# KiCad board _SHEGO75-V2.1.kicad_pcb (continued)
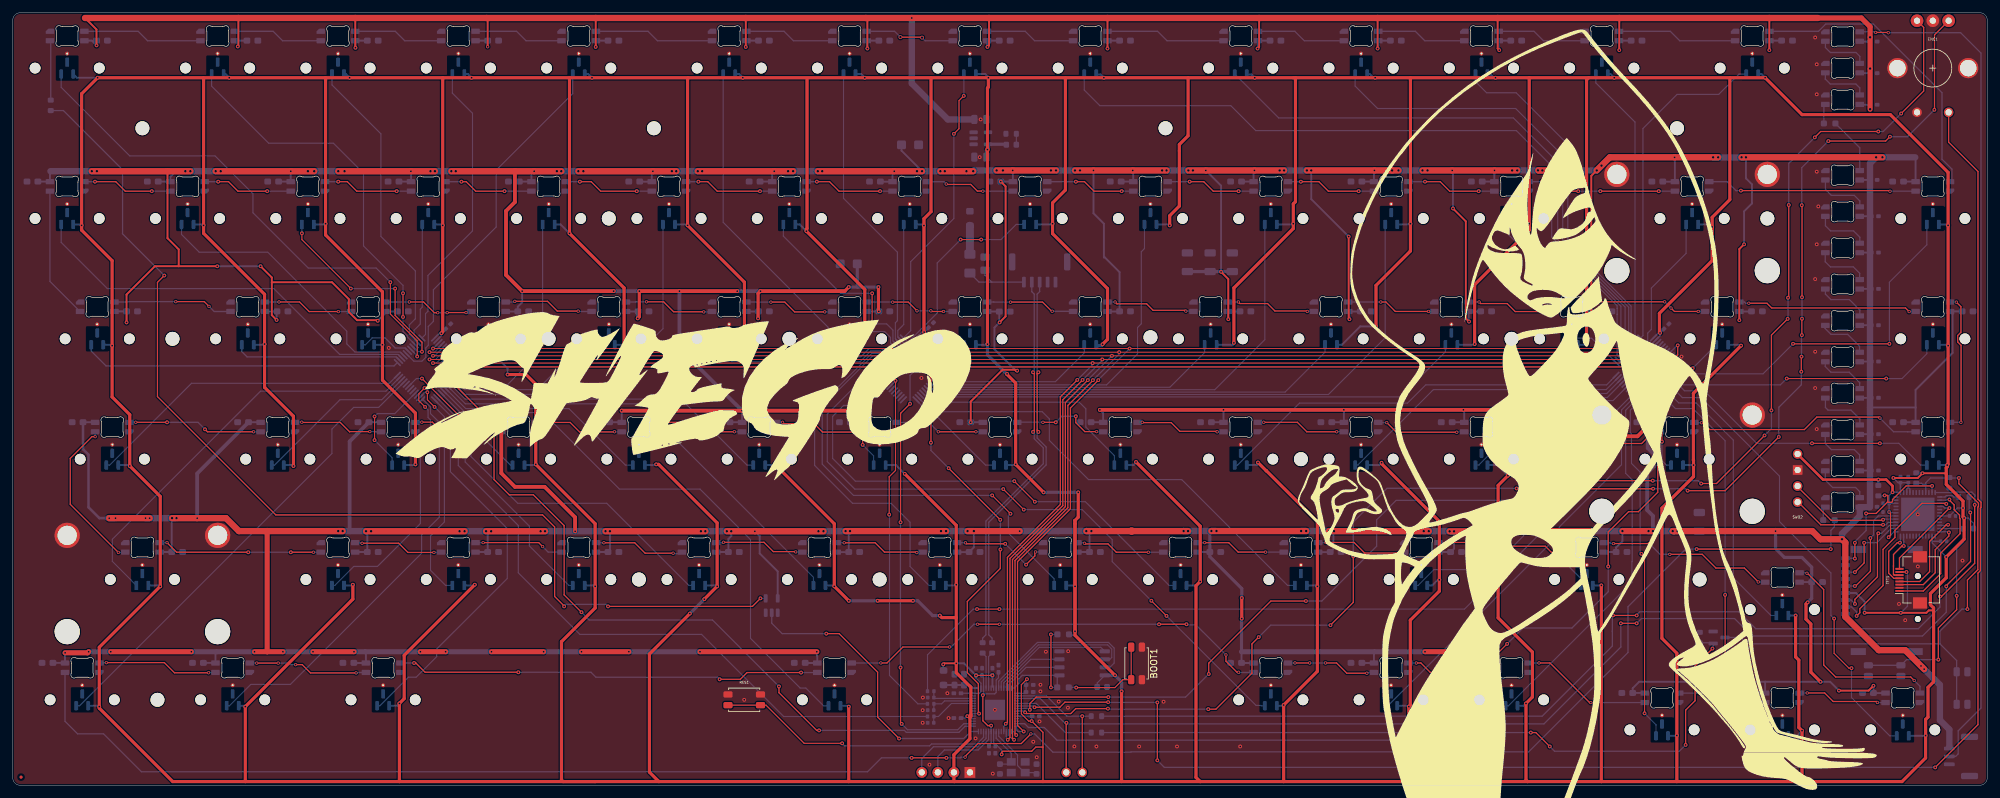
[diagram p0: board, top side]
## Routing (per net, layer and track width the routed paths; a pad name or vN(x,y) marks a point on that pad's centre or on a via; arc(x,y) is an arc through that point) (continued)
+1V1: length 17.7
  Top w0.2: v1(154.86,9.46) 154.33,9.46 153.56,10.23 v1(153.56,14.29)
  Bottom w0.18: U3.45 153.66,17.19 C14.1 ; 154.86,9.45 v1(154.86,9.46) ; 155.67,15.41 155.67,16.67 156.03,17.04 C15.1
  Bottom w0.2: 154.86,9.45 U3.23 154.86,6.76 154.53,6.43 ; U3.45 153.66,14.5 153.56,14.39 v1(153.56,14.29) 153.77,14.5 155.44,14.5 155.66,14.72 U3.50
+3.3V: length 2585.7
  Top w0.18: v1(155.07,17.42) v1(152.48,17.42) ; v1(161.29,10.18) 160.79,10.18 159.65,11.32 159.65,15.93 v1(160.53,16.82)
  Top w0.2: v1(161.29,10.18) 163.06,8.4 163.06,6.06 ; v3(296.99,43.28) 297.21,43.05 297.21,39.59 v1(296.91,39.29) ; 163.06,6.06 161.93,6.06 161.28,5.41 156.7,5.41 156.53,5.23 v1(156.53,4.91) ; 163.06,6.06 163.06,0.6 ; v1(299.74,33.78) TFT1.VDD
  Top w0.3: v1(147.28,19.16) 147.45,19.32 v1(149.35,19.32) ; 304.03,27.7 303.27,27.7 302.89,27.32 v1(298.85,27.32) v1(293.11,27.32) ; v1(151.09,10.96) 151.48,10.96 151.66,11.14 ; 306.03,49.26 305.88,49.41 v1(302.27,49.41) 301.53,48.67 v1(297.66,48.67)
  Top w0.4: v1(297.53,46.41) 297.53,47.41 296.53,48.41 v1(295.28,48.41) 286.53,48.41 282.5,52.43
  Top w0.5: v1(136.9,29.23) v1(142.49,29.23) ; 102.28,0.6 100.78,2.1 100.78,20.79 v1(107.18,27.2) ; 102.28,0.6 132.33,0.6 ; 102.28,0.6 92.2,0.6 ; v1(96.77,69.86) 96.77,78.76 v1(88.13,87.39) 88.13,112.03 ; 68.07,112.03 v1(53.34,112.03) 49.53,112.03 ; 68.07,112.03 v1(72.64,112.03) v1(91.69,112.03) v1(115.57,112.03) v1(134.87,112.03) v1(154.43,112.03) ; 68.07,112.03 v1(68.07,88.66) 68.07,71.79 v1(67.86,71.58) ; 187.96,0.6 187.28,1.27 187.28,31.6 v1(187.96,32.28) 187.96,41.03 v1(177.8,51.19) ; 187.96,0.6 201.16,0.6 ; 187.96,0.6 149.03,0.6 ; v1(115.82,70.12) 115.82,79.66 v1(106.82,88.66) 106.82,111.92 106.93,112.03 ; v1(231.39,69.87) 231.39,79.27 240.03,87.9 v1(240.03,88.92) 240.03,112.03 ; 271.78,112.03 271.78,92.73 268.98,89.93 v1(268.98,88.41) 268.98,83.08 260.63,74.73 260.63,71.73 v1(260.73,71.63) ; v1(216.66,51.07) 216.66,50.93 225.8,41.79 v1(225.8,32.53) 225.8,30.75 221.21,26.16 221.21,12.69 v1(220.98,12.46) 220.98,0.6 ; 263.39,0.6 251.46,0.6 ; 263.39,0.6 v1(263.39,7.89) 263.39,20.92 261.03,23.28 261.03,43.88 266.03,48.88 v1(266.03,50.71) 266.03,51.48 266.01,51.51 266.01,62.07 v1(273.55,69.61) ; 263.39,0.6 283.21,0.6 ; 251.46,0.6 239.77,0.6 ; 251.46,0.6 251.44,0.61 v1(251.44,31.66) ; v1(168.14,24.4) 168.14,23.75 v1(174.47,17.43) ; v1(168.14,24.4) 168.14,41.92 168.13,41.94 ; v1(168.14,24.4) v1(168.14,31.51) 168.14,41.4 168.13,41.41 168.13,41.94 ; v1(144.26,71.76) 144.23,71.78 v1(144.23,88.63) 144.23,89.71 145.36,90.83 145.36,112.03 ; 239.77,0.6 239.52,0.85 v1(239.52,12.97) 240.53,13.99 240.53,21.1 235.11,26.53 235.11,47.48 v1(236.66,49.03) ; 239.77,0.6 220.98,0.6 ; v1(63.75,50.82) 63.75,58.94 58.53,64.16 58.53,68.97 58.53,68.97 v1(58.53,69.76) 58.53,69.76 58.53,78.13 49.53,87.14 v1(49.53,88.92) 49.53,112.03 ; v1(193.29,70.06) 193.29,78.76 202.69,88.16 v1(202.69,88.92) 202.69,92.06 203.03,92.41 203.03,112.03 202.69,112.03 ; v1(134.87,70.63) 134.87,78.5 v1(125.63,87.75) 125.63,88.05 125.73,88.16 125.73,111.77 ; 168.13,41.94 168.65,42.46 v1(168.65,46.39) ; 92.2,0.6 61.21,0.6 ; 92.2,0.6 87.12,0.6 86.86,0.85 86.86,22.75 92.2,28.08 v1(92.2,31.51) 92.2,41.42 v1(82.8,50.82) 82.8,63.5 81.26,65.04 v1(78.33,65.04) ; 61.21,0.6 v1(61.21,12.97) 61.97,13.73 61.97,20.59 v1(73.15,31.77) ; 61.21,0.6 36.83,0.6 ; v1(197.1,51.11) 198.41,49.8 198.44,49.8 206.5,41.74 v1(206.5,31.51) 206.5,18.05 v1(201.16,12.72) 201.16,0.6 ; 240.03,112.03 249.42,112.03 ; 240.03,112.03 v1(234.69,112.03) v1(215.64,112.03) v1(196.59,112.03) 186.04,112.03 ; 249.42,112.03 v1(253.49,112.03) v1(277.36,112.03) 283.21,106.19 297.18,106.19 306.32,97.05 v1(306.32,88.66) v1(306.32,69.61) 306.32,50.85 v1(306.18,50.71) 306.18,50.42 306.03,50.28 306.03,47.66 308.68,45 v1(308.68,43.9) 308.68,42.5 v1(308.86,42.33) 308.86,38.98 v1(306.03,36.16) 306.03,32.88 303.53,30.37 303.53,28.59 304.03,28.08 304.03,16.41 303.15,15.52 303.15,10.81 302.76,10.43 v1(302.76,7.89) 302.76,4.34 299.03,0.6 283.21,0.6 ; 249.42,112.03 249.11,111.71 249.11,70.6 249.11,70.59 v1(249.11,69.79) ; 36.83,0.6 25.34,0.6 13.71,12.23 v1(13.71,12.46) 13.71,21.86 v1(23.36,31.51) 23.36,45.74 v1(18.54,50.56) 18.54,58.69 15.74,61.49 v1(15.74,69.61) 15.74,83.08 10.92,87.9 v1(10.92,88.66) 10.92,109.49 v1(13.46,112.03) v1(34.29,112.03) 49.53,112.03 ; 36.83,0.6 v1(36.83,12.46) 53.84,29.48 v1(53.84,31.77) ; v1(146.74,26.88) 147.06,26.56 149.35,26.56 ; 283.21,0.6 v1(283.21,8.65) 282.7,9.16 282.7,19.83 282.19,20.34 v1(282.19,26.89) ; 30.22,112.03 v1(30.22,88.66) 30.22,87.39 39.87,77.74 v1(39.87,69.87) 39.87,63.01 44.45,58.44 v1(44.45,50.56) ; 149.03,0.6 132.33,0.6 ; 149.03,0.6 148.97,0.66 J1.2 148.97,4.85 151.51,7.38 151.51,10.74 ; 132.33,0.6 v1(132.33,12.46) ; 149.35,26.56 v1(149.35,19.32) 149.35,17.84 151.66,15.53 151.66,11.14 ; 149.35,26.56 v1(149.35,31.77) 149.35,41.17 v1(141.2,49.32) ; 151.51,10.74 151.66,10.89 151.66,11.14 ; 151.51,10.74 151.51,10.99 151.66,11.14 ; 166.62,112.03 166.62,94.25 164.59,92.22 v1(164.59,88.92) 164.59,87.35 173.28,78.65 173.28,70.61 v1(172.5,69.83) ; v1(154.43,112.03) 154.43,110.55 154.28,110.41 v1(154.28,69.86) ; v1(154.43,112.03) v1(172.72,112.03) 186.04,112.03 ; 201.16,0.6 220.98,0.6 ; 186.04,112.03 186.04,102.84 184.65,101.46 184.65,91.71 183.13,90.19 v1(183.13,88.66) ; v1(163.17,46.39) v1(158.75,50.82) 158.75,63.69 157.38,65.06 v1(157.38,65.15) ; v1(132.33,29.23) v1(130.04,31.51) 130.04,41.42 v1(120.65,50.82) ; v1(101.85,50.82) 102.25,50.82 111.5,41.56 v1(111.5,31.51) v1(109.47,29.48) ; v1(215.78,72.66) 215.78,79.15 221.23,84.6 v1(221.23,88.92) 221.23,112.03 ; v1(175.51,14.88) 175.51,0.6
  Bottom w0.18: C10.1 152.01,14.58 U3.42 ; U3.44 153.26,16.17 152.48,16.96 v1(152.48,17.42) ; v1(160.53,16.82) 160.4,16.68 C6.1 ; C17.1 171.66,16.22 U2.8 ; U3.33 v1(151.09,10.96) 150.78,10.66 150.01,10.66
  Bottom w0.2: EC6.1 303.84,38.64 303.78,38.7 ; U5.37 297.78,40.16 v1(296.91,39.29) ; MUX3.14 260.73,71.18 v1(260.73,71.63) ; 303.78,38.7 303.78,38.41 v1(306.03,36.16) ; 303.78,38.7 U5.26 ; v3(296.99,43.28) 296.99,45.86 v1(297.53,46.41) ; MUX3.13 260.47,71.63 ; U5.3 299.78,46.91 300.03,47.16 300.28,46.91 U5.4 ; R7.2 310.36,41.47 309.5,42.33 v1(308.86,42.33) ; MUX1.14 67.86,71.19 v1(67.86,71.58) 67.54,71.58 MUX1.13 ; v1(156.53,4.91) 156.53,5.58 155.68,6.43 ; MUX2.13 143.92,71.76 v1(144.26,71.76) 144.26,71.39 MUX2.14 ; 297.11,43.16 U5.43 ; 160.4,15.66 C13.1 160.18,14.56 U3.1 ; 155.53,6.43 155.26,6.69 U3.22 ; EC4.1 307.8,43.9 v1(308.68,43.9) ; R6.2 302.2,49.48 v1(302.27,49.41) ; 167.2,23.77 167.88,23.77 168.14,24.04 v1(168.14,24.4) ; U5.19 306.3,42.66 ; U3.42 152.97,14.56 153.26,14.85 U3.44 ; EC2.1 EC1.1 298.4,47.93 v1(297.66,48.67) ; U3.10 161.35,10.96 ; EC3.1 U5.46 ; v1(298.85,27.32) 299.89,28.36 299.89,33.63 v1(299.74,33.78) ; v1(161.29,10.18) 161.29,10.87
  Bottom w0.25: 300.03,47.16 300.03,47.68 ; 298.78,47.68 U5.1 298.73,46.41 v1(297.53,46.41)
  Bottom w0.3: v1(172.72,112.03) 172.21,112.54 171.59,112.54 ; v1(61.21,12.97) 60.84,12.61 HE74.1 ; HE17.1 49.41,88.81 v1(49.53,88.92) ; v1(225.8,32.53) 225.55,32.53 224.67,31.66 HE69.1 ; MC1.1 v1(67.86,71.58) ; HE81.1 302.72,7.84 v1(302.76,7.89) ; HE68.1 206.36,31.66 v1(206.5,31.51) ; v1(152.48,17.42) 150.57,19.32 v1(149.35,19.32) ; HE24.1 182.99,88.81 v1(183.13,88.66) ; HE64.1 129.9,31.66 v1(130.04,31.51) ; HE67.1 187.34,31.66 v1(187.96,32.28) ; HE45.1 18.4,50.71 v1(18.54,50.56) ; HE36.1 134.12,69.76 134.87,70.5 v1(134.87,70.63) ; HE44.1 306.18,69.76 v1(306.32,69.61) ; v1(220.98,12.46) 220.83,12.61 HE77.1 ; v1(120.65,50.82) 120.53,50.71 HE50.1 ; v1(277.36,112.03) 276.78,112.62 HE14.1 ; v1(202.69,88.92) 202.58,88.81 HE25.1 ; HE79.1 263.35,7.84 v1(263.39,7.89) ; HE39.1 193.15,69.76 193.29,69.9 v1(193.29,70.06) ; HE2.1 33.7,112.62 v1(34.29,112.03) ; v1(249.11,69.79) 249.07,69.76 HE42.1 ; HE18.1 67.93,88.81 v1(68.07,88.66) ; v1(10.92,88.66) 10.78,88.81 HE15.1 ; HE78.1 239.15,12.61 v1(239.52,12.97) ; HE65.1 149.24,31.66 v1(149.35,31.77) ; HE31.1 39.76,69.76 v1(39.87,69.87) ; HE53.1 177.4,50.71 177.8,51.1 v1(177.8,51.19) ; HE35.1 115.45,69.76 v1(115.82,70.12) ; HE41.1 231.28,69.76 v1(231.39,69.87) ; HE63.1 111.36,31.66 v1(111.5,31.51) ; v1(236.66,49.03) 235.37,50.32 235.37,50.4 235.06,50.71 HE56.1 ; v1(215.64,112.03) 215.39,112.03 214.8,112.62 HE11.1 ; HE4.1 72.05,112.62 v1(72.64,112.03) ; v1(306.32,88.66) 306.18,88.81 HE29.1 ; v1(96.77,69.86) 96.73,69.86 96.63,69.76 HE34.1 ; v1(215.78,72.66) 213.28,72.66 210.38,69.76 HE40.1 ; HE28.1 268.59,88.81 v1(268.98,88.41) ; HE16.1 30.08,88.81 v1(30.22,88.66) ; v1(13.46,112.03) 10.17,112.03 HE1.1 ; v1(36.83,12.46) 36.68,12.61 HE73.1 ; v1(154.43,112.03) 154.43,112.11 153.92,112.62 HE8.1 ; HE66.1 168,31.66 v1(168.14,31.51) ; v1(154.28,69.86) 154.13,69.86 154.03,69.76 HE37.1 ; HE23.1 164.48,88.81 v1(164.59,88.92) ; HE52.1 158.63,50.71 v1(158.75,50.82) ; HE48.1 82.69,50.71 v1(82.8,50.82) ; HE49.1 101.74,50.71 v1(101.85,50.82) ; v1(63.75,50.82) 63.64,50.71 HE47.1 ; HE20.1 106.68,88.81 v1(106.82,88.66) ; v1(201.16,12.72) 201.05,12.61 HE76.1 ; v1(240.03,88.92) 239.91,88.81 HE27.1 ; v1(197.1,51.11) 197.1,50.9 196.93,50.73 195.97,50.73 195.94,50.71 HE54.1 ; v1(88.13,87.39) 86.72,88.81 HE19.1 ; v1(216.66,51.07) 216.29,50.71 HE55.1 ; v1(196.59,112.03) 196.08,112.54 195.32,112.54 ; HE61.1 73.04,31.66 v1(73.15,31.77) ; v1(273.55,69.61) 273.41,69.76 HE43.1 ; HE26.1 221.12,88.81 v1(221.23,88.92) ; HE75.1 132.19,12.61 v1(132.33,12.46) ; HE22.1 144.05,88.81 v1(144.23,88.63) ; 261.33,72.23 v1(260.73,71.63) ; HE21.1 124.57,88.81 v1(125.63,87.75) ; v1(283.21,8.65) 282.4,7.84 HE80.1 ; v1(147.28,19.16) 147.28,18.24 ; v1(141.2,49.32) 139.81,50.71 HE51.1 ; v1(23.36,31.51) 23.22,31.66 HE59.1 ; HE3.1 52.75,112.62 v1(53.34,112.03) ; v1(234.69,112.03) 234.44,112.03 233.85,112.62 HE12.1 ; SD1.P4 291.73,30.46 293.11,29.08 v1(293.11,27.32) ; v1(282.19,26.89) HE71.1 ; HE72.1 13.57,12.61 v1(13.71,12.46) ; 144.93,72.43 v1(144.26,71.76) ; HE62.1 92.06,31.66 v1(92.2,31.51) ; HE6.1 114.98,112.62 v1(115.57,112.03) ; v1(253.49,112.03) 252.9,112.62 HE13.1 ; v1(91.69,112.03) 91.1,112.62 HE5.1 ; HE30.1 15.6,69.76 v1(15.74,69.61) ; v1(58.53,69.76) HE32.1 ; v1(78.33,65.04) 78.33,66.06 76.26,68.13 76.26,69.76 ; HE46.1 44.3,50.71 v1(44.45,50.56) ; HE7.1 134.28,112.62 v1(134.87,112.03) ; v1(266.03,50.71) HE57.1 ; v1(155.07,17.42) 155.07,15.6 ; v1(53.84,31.77) 53.73,31.66 HE60.1 ; v1(251.44,31.66) HE70.1 ; v1(306.18,50.71) HE58.1
  Bottom w0.4: v1(295.28,48.41) R11.2
  Bottom w0.5: v1(175.51,14.88) 175.51,16.38 v1(174.47,17.43) 172.86,17.43 ; v1(168.65,46.39) 168.13,46.39 168.12,46.4 167.49,46.4 167.48,46.39 v1(163.17,46.39) ; C2.1 154.11,100.54 154.23,100.66 v2(154.28,100.66) 154.43,100.8 154.43,101.44 U1.5 157.21,101.5 ; v1(146.74,26.88) 145.6,26.88 143.25,29.23 v1(142.49,29.23) ; v1(154.28,69.86) 154.28,68.16 157.28,65.15 v1(157.38,65.15) ; v1(109.47,29.48) v1(107.18,27.2) ; v1(172.5,69.83) 172.29,69.61 171.65,69.61 HE38.1 ; v1(132.33,29.23) v1(136.9,29.23)
+3.3VA: length 5.7
  Bottom w0.3: FB1.2 151.51,15.89 151.99,15.4 152.81,15.4
+5V: length 2360.2
  Top w0.3: v1(92.28,116.91) 92.28,121.49 ; v1(156.21,73.3) 157.15,74.24 157.15,94.83 v1(156.39,95.59) ; v1(197.03,116.66) 197.28,116.91 197.28,121.49 ; 154.53,121.49 154.53,117.16 v1(154.28,116.91) ; 11.46,121.49 13.27,119.67 13.27,117.17 v1(13.28,117.16) ; 41.02,79.65 50.54,79.65 53.21,76.98 53.21,74.95 54.51,73.64 57.69,73.64 v1(57.78,73.55) ; 41.02,79.65 41.02,74.44 v1(41.78,73.68) ; 41.02,79.65 41.02,80.41 v1(39.24,82.19) ; v1(211.58,73.8) 211.45,73.93 v1(211.45,86.89) ; 24.51,97.23 24.51,86.63 26.29,84.85 26.29,82.19 ; v1(294.51,15.77) 293.75,15 v1(289.05,15) ; v1(151.63,57.49) 151.63,60.76 156.68,65.8 158.63,65.8 158.78,65.65 v1(158.98,65.65) ; v1(249.86,73.16) 249.86,96.5 v4(250.71,97.36) ; v1(18.03,73.3) 18.03,77.71 22.51,82.19 26.29,82.19 ; 135.03,121.49 135.28,121.24 v1(135.28,116.66) ; v1(216.03,116.66) 216.03,121.49 ; v1(273.28,73.66) 273.28,84.91 v1(274.03,85.66) ; 26.29,82.19 v1(32.38,82.19) ; v1(54.26,116.78) 54.23,116.81 54.23,121.49 ; v1(35.63,116.98) 35.73,117.08 35.73,121.49 ; 249.55,55.26 249.3,55.52 ; v1(191.26,81.3) 192.4,80.15 v1(192.4,73.8) ; v1(278.03,116.41) 278.03,121.49 ; v1(230.5,73.42) 229.99,73.93 229.99,89.3 v1(227.96,91.33) ; v3(75.18,116.93) 75.18,121.31 75.01,121.49 ; v1(173.28,116.66) 173.28,121.49 ; v1(235.28,116.41) 235.03,116.66 235.03,121.49 ; v1(254.28,116.41) 254.28,121.49 ; v1(116.03,116.91) 116.03,121.49
  Top w0.5: v1(137.09,75.04) 137.03,75.11 v1(137.03,78.88) ; 131.7,78.25 v1(132.33,78.88) ; v1(286.13,16.4) 284.6,17.92 284.6,25.54 283.84,26.31 283.84,28.72 v1(284.1,28.97) ; v1(117.98,73.93) 117.98,77.87 v1(118.36,78.25) ; v1(99.18,78.25) 99.18,74.19 v1(98.93,73.93) ; v1(194.53,26.41) v1(194.53,29.66)
  Top w0.6: v1(77.32,57.49) 77.34,57.48 77.34,49.42 79.5,47.26 84.2,47.26 89.02,42.44 v1(89.02,40.23) ; v1(114.68,78.25) v1(105.53,78.25) v1(99.18,78.25) ; v1(95.12,78.25) v1(80.64,78.25) 78.09,80.8 78.09,90.94 79.5,92.35 79.5,97.23 ; 249.3,55.52 245.36,59.45 v1(229.61,59.45) v1(210.69,59.45) v1(191.64,59.45) v1(172.08,59.45) ; v1(132.58,59.33) v1(115.44,59.33) v1(96.39,59.33) ; v1(118.36,78.25) 131.7,78.25 ; 249.55,55.26 257.17,55.26 v1(258.06,56.15)
  Top w0.8: v1(90.03,21.16) v1(97.53,21.16) ; v1(64.53,21.16) v1(68.53,21.16) ; v1(38.28,21.16) 40.28,21.16 ; 40.28,21.16 v1(42.78,21.16) ; 40.28,21.16 40.28,40.26 ; v1(8.3,20.99) 11.86,20.99 v1(12.03,21.16) ; v1(223.53,21.16) v1(228.53,21.16) ; v1(75.78,21.16) v1(84.03,21.16) ; 285.71,121.49 292.6,121.49 293.98,120.11 v4(293.98,118.43) v4(293.98,113.48) v4(293.98,107.04) ; v1(127.28,21.16) v1(108.78,21.16) ; v1(47.53,21.16) v1(54.03,21.16) ; v1(15.53,21.16) v1(28.28,21.16)
  Top w1: 241.49,97.37 241.5,97.36 v4(247.63,97.36) ; v4(227.43,40.22) v4(232.03,40.22) ; v4(146.83,97.23) v4(150.96,97.23) v4(152.03,97.23) ; v4(249.78,40.26) 236.54,40.26 v4(236.51,40.22) ; v4(25.23,42.31) v1(29.21,42.31) 33.76,42.31 35.81,40.26 v4(52.23,40.26) ; v4(32.13,97.23) v1(44.03,97.23) v4(47.73,97.23) ; v4(165.13,97.36) v1(158.28,97.36) v4(155.73,97.36) ; v4(51.53,97.23) v1(63.03,97.23) v4(66.83,97.23) ; 285.71,121.49 v1(142.31,121.49) 11.46,121.49 ; v1(21.68,42.31) v1(15.28,42.31) ; v4(219.33,97.36) v4(218.33,97.36) v1(215.53,97.36) v4(204.83,97.36) ; v4(69.43,97.23) v1(82.53,97.23) v4(86.83,97.23) ; v4(269.93,99.43) v1(263.03,99.43) 252.78,99.43 v4(250.71,97.36) ; v4(131.83,40.26) v4(147.73,40.26) ; v4(143.93,97.23) v1(139.53,97.23) v4(127.43,97.23) ; v4(109.63,40.23) v4(93.83,40.23) ; v4(238.13,97.36) v1(234.53,97.36) v1(227.83,97.36) v4(223.13,97.36) ; v4(128.33,40.23) v1(117.47,40.23) v4(113.03,40.23) ; v4(259.61,40.26) v4(254.78,40.26) ; v4(108.43,97.23) v1(120.53,97.23) v4(123.53,97.23) ; v4(201.23,97.36) v1(196.53,97.36) v1(188.85,97.36) v4(186.08,97.36) ; v4(151.13,40.26) v1(159.38,40.26) ; v4(189.73,40.27) v4(204.73,40.27) ; v4(182.63,97.36) v1(177.28,97.36) v1(171.07,97.36) v4(168.13,97.36) ; v4(295.93,99.43) v4(294.93,99.43) v4(273.63,99.43) ; v4(28.13,97.23) v4(12.53,97.23) ; v1(302.53,18.41) 299.53,21.41 295.35,21.41 290.06,26.69 290.06,38.43 v4(289.53,38.97) 286.12,38.97 284.83,40.26 v1(279.02,40.26) v4(262.74,40.26) v4(263.51,40.26) ; v4(84.26,40.23) v4(74.93,40.23) ; v4(105.03,97.23) v1(101.33,97.23) v4(89.53,97.23) ; v4(186.03,40.26) v4(169.93,40.26) ; v4(71.53,40.23) v4(55.93,40.23) ; v4(208.33,40.24) v4(224.13,40.24)
  Bottom w0.3: LED53.1 172.59,58.94 v1(172.08,59.45) ; CL57.1 260.68,57.49 ; LED73.1 32.1,20.97 32.28,21.16 ; LED25.1 196.41,97.23 v1(196.53,97.36) ; CL16.1 24.94,95.59 ; CL10.1 197.11,117.91 ; v1(197.03,116.66) 197.09,116.72 LED10.1 ; CA6.1 292.38,72.85 ; 23.28,36.94 CL59.1 25.18,41.99 25.43,42.24 25.87,42.24 v4(25.93,42.31) ; LED6.1 116.13,117.01 v1(116.03,116.91) ; CL5.1 92.34,117.91 ; 120.43,97.23 120.21,97.01 LED21.1 ; v4(293.98,118.43) 293.96,118.41 CG3.1 292.39,117.76 ; 251.88,36.94 CL70.1 253.78,37.64 254.78,38.65 v4(254.78,40.26) ; 55.78,21.16 55.91,21.02 LED74.1 54.02,19.37 ; LED7.1 135.18,116.76 v1(135.28,116.66) ; v1(215.53,97.36) 215.46,97.28 LED26.1 ; CL27.1 234.49,95.59 ; CL62.1 92.34,36.94 ; 234.53,21.16 234.53,19.4 ; CL56.1 229.72,57.49 ; LED29.1 301.18,99.38 301.13,99.43 ; LED50.1 115.44,59.32 v1(115.44,59.33) ; 278.06,117.89 278.06,116.43 v1(278.03,116.41) ; v1(263.03,99.43) 263.08,99.38 LED28.1 261.19,95.57 ; 99.26,95.57 LED20.1 101.16,97.06 v1(101.33,97.23) ; v1(80.64,78.25) 80.64,76.47 79.94,75.78 CL33.1 ; 251.37,75.02 LED42.1 249.48,73.53 v1(249.86,73.16) ; v1(227.83,97.36) 227.96,97.23 v1(227.96,91.33) ; CL9.1 173.3,117.91 ; CL15.1 5.89,95.59 ; 277.36,16.4 257.43,16.4 256.41,15.38 CL79.1 258.3,14.63 ; 277.36,16.4 277.37,16.4 LED80.1 ; 277.36,16.4 v1(286.13,16.4) 287.65,16.4 v1(289.05,15) ; CL68.1 209.04,37.45 209.04,40.15 v4(209.13,40.24) ; v1(156.39,95.59) 158.29,95.59 ; CL80.1 277.35,14.63 ; CL12.1 235.21,117.91 ; CA2.1 292.39,49.85 ; LED35.1 118.02,75.02 ; 11.38,117.91 12.53,117.91 v1(13.28,117.16) ; LED2.1 35.63,117.42 v1(35.63,116.98) ; 192.99,81.3 v1(191.26,81.3) 191.26,94.94 v1(188.85,97.36) ; 215.53,21.16 215.46,21.08 LED77.1 213.56,19.37 ; 293.96,59.83 301.18,59.83 ; 301.18,59.83 LED58.1 ; 301.18,59.83 301.18,62.61 307.04,68.47 307.04,74.61 LED44.1 ; v4(27.33,97.23) 25.86,97.23 24.96,96.33 LED16.1 ; CL71.1 282.84,32.18 ; CL8.1 154.25,117.91 ; v1(294.51,15.77) CL81.1 ; CL65.1 152.13,37.69 v4(152.13,40.26) ; 232.32,75.02 LED41.1 230.43,73.49 v1(230.5,73.42) ; CA8.1 292.37,84.35 ; v1(127.28,21.16) 127.28,20.54 127.35,20.47 LED75.1 125.46,19.37 ; 177.36,95.57 177.36,97.28 v1(177.28,97.36) ; LED31.1 41.82,75.02 ; CL26.1 215.44,95.59 ; v4(113.73,40.23) 113.73,39.46 113.28,39.01 CL63.1 111.39,36.94 ; LED38.1 175.17,75.02 ; v1(158.98,65.65) 158.78,65.65 155.39,69.05 155.39,72.48 v1(156.21,73.3) 156.15,73.35 CL37.1 ; v1(254.28,116.41) 254.24,116.44 LED13.1 ; CL44.1 306.65,75.04 ; CL64.1 132.33,40.06 v4(132.53,40.26) ; v1(92.28,116.91) 92.32,116.94 LED5.1 ; CA9.1 292.36,90.1 ; LED36.1 137.07,75.02 ; 82.43,97.23 82.11,96.91 LED19.1 ; CL45.1 13.03,57.49 ; CL17.1 43.99,95.59 ; CL38.1 175.19,81.25 172.86,83.58 172.72,83.58 172.72,88.92 171.07,90.57 v1(171.07,97.36) ; LED72.1 8.29,20.97 ; CL46.1 39.22,57.49 ; CL76.1 194.49,21.16 ; v4(170.73,40.26) 170.43,39.96 CL66.1 168.54,36.94 ; CL3.1 54.24,117.91 ; CA4.1 292.38,61.35 ; 44.16,97.23 44.01,97.08 LED17.1 ; v1(211.45,86.89) 205.53,92.8 v4(205.53,97.36) ; LED54.1 191.64,59.45 v1(191.64,59.45) ; CL14.1 278.08,117.91 ; v1(41.78,73.68) 41.78,74.98 ; v1(132.58,59.33) 132.58,59.32 CL51.1 134.47,57.49 ; v1(18.03,73.3) 18.03,73.3 CL30.1 16.14,75.04 ; v1(216.03,116.66) 216.14,116.77 LED11.1 ; CL67.1 187.59,36.94 ; v1(158.28,97.36) 158.31,97.33 LED23.1 ; v4(55.93,40.23) 56.13,40.03 CL60.1 54.24,36.94 ; 234.51,19.37 232.61,19.37 ; CL7.1 135.2,117.91 ; LED64.1 132.31,36.92 ; CL29.1 301.16,95.59 ; LED12.1 235.19,116.49 v1(235.28,116.41) ; CL18.1 63.04,95.59 ; LED55.1 210.69,59.45 v1(210.69,59.45) ; 225.69,36.94 CL69.1 228.13,37.49 v4(228.13,40.22) ; LED9.1 v1(173.28,116.66) ; CL58.1 301.16,57.49 ; CL72.1 8.27,19.39 ; v4(293.98,113.48) 293.96,113.46 CG2.1 292.39,112.76 ; v1(273.28,73.66) 273.29,73.67 LED43.1 275.19,75.02 ; v1(192.4,73.8) 192.33,73.87 LED39.1 194.22,75.02 ; CL48.1 v1(77.32,57.49) ; v1(32.38,82.19) v1(39.24,82.19) ; LED76.1 194.51,19.37 ; LED81.1 294.53,14.61 ; U4.5 121.09,33.87 118.23,36.72 118.23,39.47 v1(117.47,40.23) ; 60.87,75.02 LED32.1 58.98,74.75 v1(57.78,73.55) ; CL11.1 216.16,117.91 ; v1(54.26,116.78) 54.26,117.85 ; 137.36,95.57 LED22.1 139.26,96.96 v1(139.53,97.23) ; LED37.1 156.14,75.02 ; 73.29,117.91 CL4.1 v3(75.18,116.93) ; v1(234.53,97.36) 234.51,97.33 234.51,95.57 ; LED15.1 5.91,97.16 5.98,97.23 ; CL55.1 210.67,57.49 ; LED49.1 96.39,59.32 v1(96.39,59.33) ; CL53.1 172.57,57.49 ; CL50.1 115.42,57.49 ; CL13.1 254.26,117.91 ; v4(293.98,107.04) 293.98,107.74 ; v1(274.03,85.66) 274.03,90.87 275.28,92.12 275.28,95.16 274.33,96.11 v4(274.33,99.43) ; C23.1 140.68,100.48 v4(143.93,97.23) ; LED18.1 63.06,97.18 ; v1(229.61,59.45) 229.74,59.32 LED56.1 ; CL19.1 82.09,95.59 ; LED33.1 79.92,75.02 ; CL25.1 196.39,95.59 ; LED40.1 213.27,75.02 ; 194.49,26.37 v1(194.53,26.41) ; LED34.1 98.97,75.02 ; CL21.1 120.19,95.59 ; CL73.1 32.08,19.39 ; v1(154.28,116.91) 154.23,116.96 LED8.1 ; CL47.1 58.27,57.49 ; CA5.1 292.38,67.1 ; CA7.1 292.37,78.6 ; CG1.1 292.39,107.76 ; 73.29,36.94 CL61.1 75.18,39.98 v4(74.93,40.23) ; CL54.1 191.62,57.49 ; CL49.1 96.37,57.49 ; CA10.1 292.36,95.86 ; v4(94.53,40.23) 94.53,37.24 ; LED68.1 208.51,36.92 ; CA3.1 292.39,55.6 ; v1(151.63,57.49) 153.52,57.49 ; CL24.1 177.34,95.59 ; v1(211.58,73.8) 211.58,74.83 ; LED65.1 151.36,36.92 ; CL6.1 116.15,117.91 ; CL2.1 35.19,117.91
  Bottom w0.4: 15.11,42.31 13.73,42.31 12.01,44.03 12.01,52.36 11.14,53.22 CL45.1
  Bottom w0.5: v1(279.02,40.26) 279.02,37.48 280.41,36.09 283.19,36.09 284.73,34.54 CL71.1 284.73,29.61 v1(284.1,28.97) ; 133.73,78.88 v1(137.03,78.88) ; 133.73,78.88 v1(132.33,78.88) ; 133.73,78.88 133.68,78.93 C22.1 ; v1(117.98,73.93) 118.04,74 CL35.1 ; v1(194.53,29.66) 194.53,31.16 189.48,36.21 CL67.1 189.48,40.02 v4(189.73,40.27) ; 194.49,21.16 194.49,26.37 ; C20.1 C18.1 ; v4(263.51,40.26) 266.94,40.26 ; v1(98.93,73.93) 98.93,74.98
  Bottom w0.6: CL46.1 29.21,49.37 v1(29.21,42.31) ; 53.34,40.26 53.34,54.45 CL47.1 ; v1(114.68,78.25) v1(118.36,78.25) ; v1(115.44,59.33) 105.53,69.23 v1(105.53,78.25) ; 258.79,56.15 CL57.1 ; 258.79,56.15 v1(258.06,56.15) ; 258.79,56.15 258.79,53.4 259.84,52.35 259.84,50.56 258.7,49.42 258.7,43.58 259.61,42.66 v4(259.61,40.26) ; v1(95.12,78.25) v1(99.18,78.25)
  Bottom w0.8: v1(42.78,21.16) v1(47.53,21.16) ; v1(38.28,21.16) v1(28.28,21.16) ; v1(54.03,21.16) v1(64.53,21.16) ; v1(228.53,21.16) 234.53,21.16 ; v1(97.53,21.16) v1(108.78,21.16) ; 194.49,21.16 v1(223.53,21.16) ; v1(68.53,21.16) v1(75.78,21.16) ; v1(12.03,21.16) v1(15.53,21.16) ; 8.29,20.97 v1(8.3,20.99) ; v1(84.03,21.16) v1(90.03,21.16)
  Bottom w1: v4(209.13,40.24) 208.4,40.24 208.37,40.27 v4(203.93,40.27) ; C1.1 148.01,105.43 142.31,111.13 v1(142.31,121.49) ; v4(185.33,40.26) 185.34,40.27 v4(190.53,40.27) ; v4(181.93,97.36) v4(182.63,97.36) v4(186.08,97.36) v4(186.81,97.36) ; v4(127.53,40.23) 132.51,40.23 v4(132.53,40.26) ; v4(205.53,97.36) v4(204.83,97.36) v4(201.23,97.36) v4(200.53,97.36) ; v4(170.73,40.26) 170.04,40.26 170.02,40.27 165.54,40.27 165.53,40.26 v1(159.38,40.26) ; v4(251.47,98.12) v4(250.71,97.36) v4(246.93,97.36) ; v4(83.56,40.23) v1(89.02,40.23) v4(94.53,40.23) ; v4(70.13,97.23) v4(69.43,97.23) v4(66.83,97.23) v4(66.13,97.23) ; v4(52.53,97.23) v4(51.53,97.23) v4(47.73,97.23) v4(46.73,97.23) ; v4(109.13,97.23) v4(108.43,97.23) v4(105.03,97.23) v4(104.33,97.23) ; v4(86.13,97.23) v4(86.83,97.23) v4(89.53,97.23) v4(90.33,97.23) ; 5.98,97.23 v4(12.53,97.23) v4(13.33,97.23) ; v4(147.53,97.23) v4(146.83,97.23) v4(143.93,97.23) v4(143.13,97.23) ; v4(230.78,40.22) 237.29,40.22 v4(237.33,40.26) ; v4(152.13,40.26) v4(146.93,40.26) ; v4(237.33,97.36) 237.34,97.36 241.97,97.36 241.98,97.36 242.19,97.36 ; v4(25.93,42.31) v4(25.23,42.31) v1(21.68,42.31) v1(21.03,42.31) ; v4(294.93,99.43) 293.96,98.46 293.96,44.1 ; v4(228.13,40.22) 227.72,40.22 227.7,40.24 v4(223.33,40.24) ; v4(269.13,99.43) 269.16,99.41 273.77,99.41 273.79,99.43 v4(274.33,99.43) ; v4(295.93,99.43) 301.13,99.43 ; v1(302.03,18.91) 305.03,15.91 305.03,10.33 306.52,8.84 306.52,6.1 306.53,6.09 ; v4(152.03,97.23) 152.16,97.36 v4(155.73,97.36) v4(156.73,97.36) ; v4(108.93,40.23) v4(113.73,40.23) ; v4(128.13,97.23) v4(127.43,97.23) v4(123.53,97.23) v4(122.73,97.23) ; v4(56.73,40.23) v4(55.93,40.23) 55.91,40.26 v4(51.53,40.26) ; CA1.1 293.89,44.05 AMB1.1 292.34,42.65 289.53,39.84 v4(289.53,38.97) ; v4(263.51,40.26) 262.91,40.26 262.91,40.25 258.91,40.25 v4(258.91,40.26) ; v4(164.33,97.36) v4(165.13,97.36) v4(168.13,97.36) v4(168.93,97.36) ; v4(254.78,40.26) v4(249.78,40.26) ; v4(218.33,97.36) v4(223.93,97.36) ; v4(27.33,97.23) v4(28.13,97.23) v4(32.13,97.23) v4(32.93,97.23) ; v4(70.73,40.23) v4(75.73,40.23) ; 15.11,42.31 v1(15.28,42.31) v1(16.28,42.31)
  vias: v4(241.41,97.37) v4(242.11,97.36)
GND:
  vias: v1(59.53,69.26) v1(68.33,65.26) v1(72.78,58.19) v1(115.79,13.54) v1(143.83,64.51) v1(144.07,13.91) v1(144.03,11.91) v1(144.03,9.91) v1(145.11,3.27) v1(145.48,65.56) v1(147.94,14.59) v1(148.13,10.66) v1(152.4,7.44) v1(153.06,99.46) v1(153.21,105.43) v1(155.13,1.86) v1(155.46,11.96) v1(161.53,6.91) v1(162.08,4.46) v1(162.52,10.12) v1(162.67,15.92) v1(162.67,14.88) v1(163.53,21.16) v1(165.56,13.27) v1(167.06,21.24) v1(167.02,12.3) v1(168.03,6.16) v1(171.53,6.16) v1(178.28,6.16) v1(182.17,13.25) v1(184.28,6.16) v1(194.28,6.16) v1(264.13,67.88) v1(285.28,118.41) v1(285.28,80.16) v1(285.28,68.66) v1(285.28,62.91) v1(285.53,114.16) v1(285.53,109.41) v1(285.53,97.16) v1(285.53,85.66) v1(285.53,56.41) v1(285.78,91.66) v1(298.55,28.72) v1(299.53,26.16) v1(301.53,42.91) v1(301.53,34.66) v1(308.61,35.58)
VBUS: length 11.5
  Bottom w0.2: 154.98,79.67 153.89,80.77 C5.1 ; 154.98,79.67 JST1.1 ; 154.98,79.67 152.95,79.67 F1.1
/CARD_DETECT: length 25.5
  Top w0.2: v1(293.34,43.05) 294.92,43.05 296.67,44.8 ; 296.67,44.8 297.38,44.8 297.53,44.95 297.53,45.26 299.68,47.41 v1(303.78,47.41) ; 296.67,44.8 296.78,44.91 296.78,45.91 v1(296.28,45.91) ; v1(291.57,38.41) v1(291.57,35.91)